# Altium PCB 202101904XB(公开).PcbDoc (part 1 of 6) (continued)
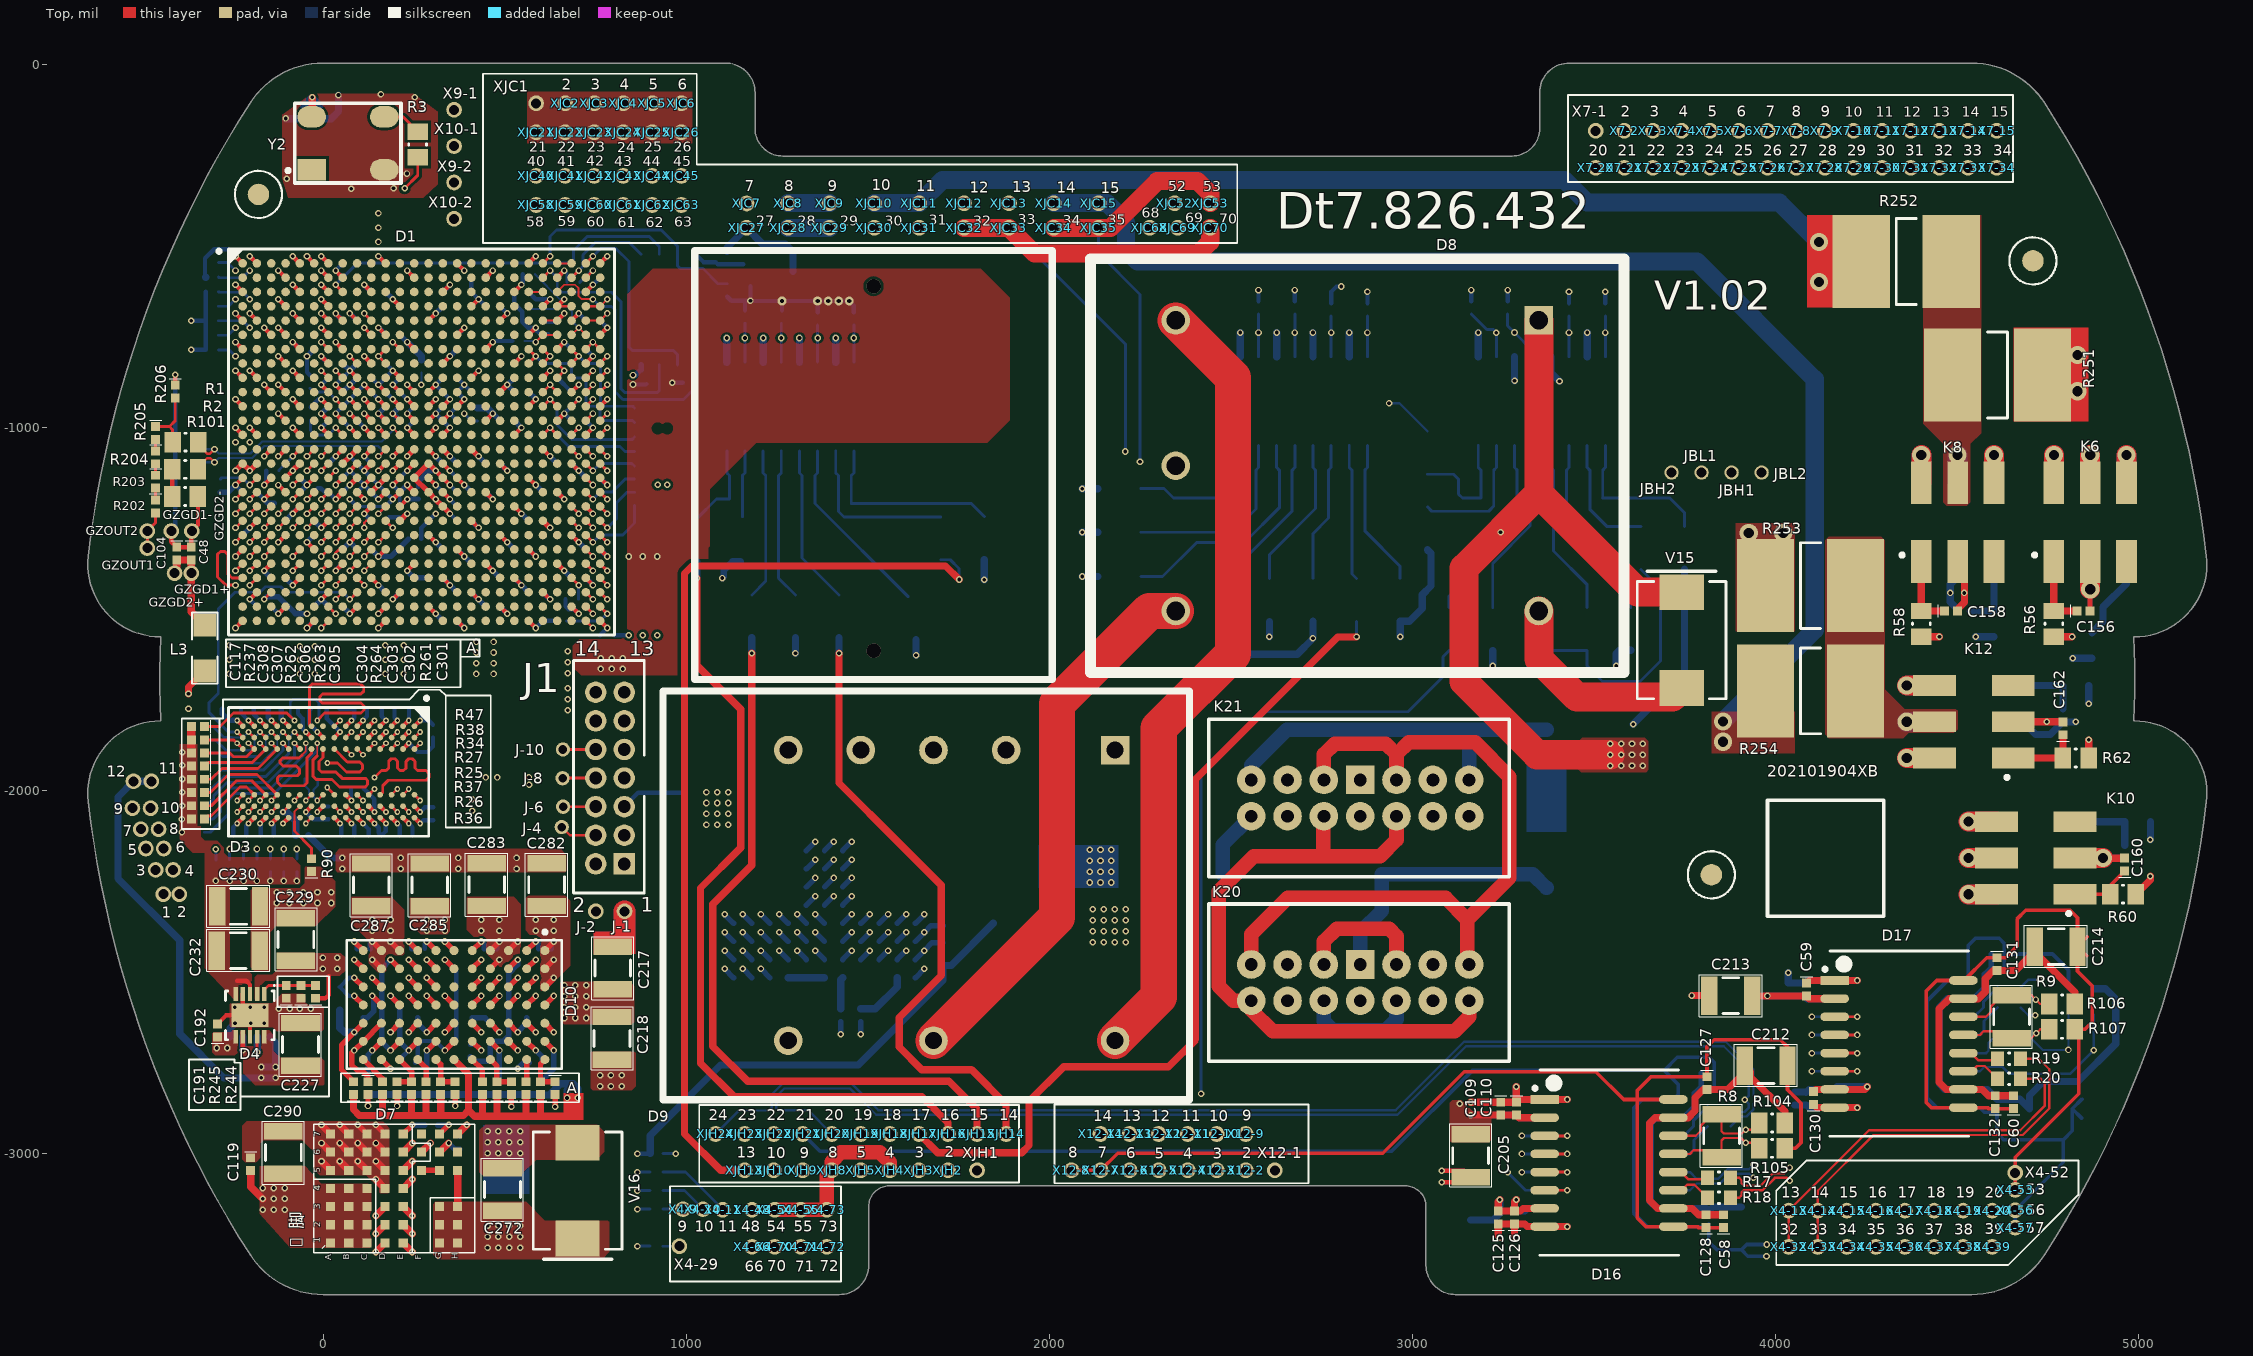
[diagram p0: Top view]
## Classes and differential pairs
net class ddr: DDR3-A0 DDR3-A1 DDR3-A2 DDR3-A3 DDR3-A4 DDR3-A5 DDR3-A6 DDR3-A7 DDR3-A8 DDR3-A9 DDR3-A10 DDR3-A11 DDR3-A12 DDR3-A13 DDR3-A14 DDR3-BA0 DDR3-BA1 DDR3-BA2 DDR3-CAS DDR3-CKE0 DDR3-CLK0_N DDR3-CLK0_P DDR3-D0 DDR3-D1 DDR3-D2 DDR3-D3 DDR3-D4 DDR3-D5 DDR3-D6 DDR3-D7 DDR3-D8 DDR3-D9 DDR3-D10 DDR3-D11 DDR3-D12 DDR3-D13 DDR3-D14 DDR3-D15 DDR3-DM0 DDR3-DM1 DDR3-DQS0_N DDR3-DQS0_P DDR3-DQS1_N DDR3-DQS1_P DDR3-ODT0 DDR3-RAS DDR3-RESET DDR3-S0 DDR3-WE
differential pair class DIFF: AB_CL422 AB_GZ422 AB_KZ422 AB_TF422 AB_TY422 AB_YL422 D_DDR3-CLK0 D_DDR3-DQS0 D_DDR3-DQS1 D_GZOUT YZ-CL422 YZ-GZ422 YZ-KZ422 YZ-TF422 YZ-TY422 YZ-YL422
net class 28V: +B +BB DZSB0 DZSB1 DZSB2 DZSB3 DZSB4 HC1+ HC1- HC2+ HC2- HC3+ HC3- HC4+ HC4- JS1 JS2 NetK5_5 NetK9_5 NetK20_11 NetK20_31 SF
differential pair D_DDR3-CLK0: +DDR3-CLK0_P -DDR3-CLK0_N
differential pair D_DDR3-DQS0: +DDR3-DQS0_P -DDR3-DQS0_N
differential pair D_DDR3-DQS1: +DDR3-DQS1_P -DDR3-DQS1_N
differential pair D_GZOUT: +GZOUT_P -GZOUT_N
differential pair AB_TY422: +TY422-A -TY422-B
differential pair AB_TF422: +TF422-A -TF422-B
differential pair AB_CL422: +CL422-A -CL422-B
differential pair AB_KZ422: +KZ422-A -KZ422-B
differential pair YZ-KZ422: +KZ422-Y -KZ422-Z
differential pair YZ-TF422: +TF422-Y -TF422-Z
differential pair YZ-CL422: +CL422-Y -CL422-Z
differential pair YZ-TY422: +TY422-Y -TY422-Z

## Components (designator, comment, footprint, x,y, rotation, side; value= is the part's Value field where it differs from the comment)
1 "SOCKET" SOCKET#1 -440,-2286 r90 top
2 "SOCKET" SOCKET#1 -396,-2286 r90 top
3 "SOCKET" SOCKET#1 -461,-2219 r90 top
4 "SOCKET" SOCKET#1 -413,-2219 r90 top
5 "SOCKET" SOCKET#1 -488,-2160 r90 top
6 "SOCKET" SOCKET#1 -439,-2160 r0 top
7 "SOCKET" SOCKET#1 -502,-2107 r90 top
8 "SOCKET" SOCKET#1 -453,-2107 r90 top
9 "SOCKET" SOCKET#1 -525,-2049 r90 top
10 "SOCKET" SOCKET#1 -475,-2049 r90 top
11 "SOCKET" SOCKET#1 -473,-1975 r0 top
12 "SOCKET" SOCKET#1 -522,-1975 r0 top
C1 "0.01uF" CAPC0402(1005)70_N -53.42,-132.85 r270 bottom
C2 "0.01uF" CAPC0402(1005)70_N -208.42,-1776.14 r0 bottom
C3 "0.01uF" CAPC0402(1005)70_N -132.99,-1776.14 r0 bottom
C4 "0.01uF" CAPC0402(1005)70_N 228.48,-2124.14 r0 bottom
C5 "0.01uF" CAPC0402(1005)70_N 143.05,-2124.14 r180 bottom
C6 "0.01uF" CAPC0402(1005)70_BGA 191.85,-1139.56 r180 bottom
C7 "0.01uF" CAPC0402(1005)70_BGA 349.33,-1218.3 r180 bottom
C8 "0.01uF" CAPC0402(1005)70_BGA 349.34,-1139.56 r180 bottom
C9 "0.01uF" CAPC0402(1005)70_BGA 349.33,-1178.93 r0 bottom
C10 "0.01uF" CAPC0402(1005)70_BGA 349.32,-1100.19 r0 bottom
C11 "0.01uF" CAPC0402(1005)70_BGA 349.32,-942.71 r0 bottom
C12 "0.01uF" CAPC0402(1005)70_BGA 191.85,-903.34 r180 bottom
C13 "0.01uF" CAPC0402(1005)70_BGA 349.32,-903.34 r0 bottom
C14 "0.01uF" CAPC0402(1005)70_BGA 191.85,-1178.93 r180 bottom
C15 "0.01uF" CAPC0402(1005)70_BGA 191.85,-1218.3 r180 bottom
C16 "0.01uF" CAPC0402(1005)70_BGA 152.48,-1257.67 r0 bottom
C17 "0.01uF" CAPC0402(1005)70_BGA -24.69,-1513.57 r90 bottom
C18 "0.01uF" CAPC0402(1005)70_BGA 34.36,-1493.89 r180 bottom
C19 "0.01uF" CAPC0402(1005)70_BGA 191.84,-1454.52 r180 bottom
C20 "0.01uF" CAPC0402(1005)70_BGA 113.1,-1336.41 r180 bottom
C21 "0.01uF" CAPC0402(1005)70_BGA 54.05,-1356.09 r90 bottom
C22 "0.01uF" CAPC0402(1005)70_BGA 34.36,-1100.2 r0 bottom
C23 "0.01uF" CAPC0402(1005)70_BGA 113.11,-1100.19 r180 bottom
C24 "0.01uF" CAPC0402(1005)70_BGA 113.1,-1139.56 r0 bottom
C25 "0.01uF" CAPC0402(1005)70_BGA 349.33,-1533.27 r180 bottom
C26 "0.01uF" CAPC0402(1005)70_BGA 388.69,-1454.52 r0 bottom
C27 "0.01uF" CAPC0402(1005)70_BGA 309.96,-1415.15 r180 bottom
C28 "0.01uF" CAPC0402(1005)70_BGA 388.7,-1257.67 r180 bottom
C29 "0.01uF" CAPC0402(1005)70_BGA 743.02,-706.49 r180 bottom
C30 "0.01uF" CAPC0402(1005)70_BGA 546.17,-627.75 r180 bottom
C31 "0.01uF" CAPC0402(1005)70_BGA 762.71,-568.69 r90 bottom
C32 "0.01uF" CAPC0402(1005)70_BGA 703.66,-785.23 r0 bottom
C33 "0.01uF" CAPC0402(1005)70_BGA 585.55,-1454.52 r180 bottom
C34 "0.01uF" CAPC0402(1005)70_BGA 743.02,-1336.41 r0 bottom
C35 "0.01uF" CAPC0402(1005)70_BGA 703.65,-982.08 r180 bottom
C36 "0.01uF" CAPC0402(1005)70_BGA 624.91,-863.97 r180 bottom
C37 "0.01uF" CAPC0402(1005)70_BGA 526.49,-844.29 r270 bottom
C38 "0.01uF" CAPC0402(1005)70_BGA 428.06,-588.38 r180 bottom
C39 "0.01uF" CAPC0402(1005)70_BGA 152.48,-824.6 r0 bottom
C40 "0.01uF" CAPC0402(1005)70_BGA 73.73,-706.49 r180 bottom
C41 "0.01uF" CAPC0402(1005)70_BGA 152.47,-627.75 r180 bottom
C42 "0.01uF" CAPC0402(1005)70_BGA 34.36,-549.01 r180 bottom
C43 "0.01uF" CAPC0402(1005)70_BGA 467.43,-667.12 r180 bottom
C44 "0.01uF" CAPC0402(1005)70_BGA 191.84,-745.86 r180 bottom
C45 "0.01uF" CAPC0402(1005)70_BGA 329.64,-647.44 r270 bottom
C46 "0.01uF" CAPC0402(1005)70_BGA 191.84,-942.71 r0 bottom
C47 "0.01uF" CAPC0402(1005)70_BGA 113.11,-982.08 r0 bottom
C48 "0.01uF" CAPC0402(1005)70_N -363,-1348 r270 top
C49 "0.01uF" CAPC0402(1005)70_N 598.64,-2820.98 r270 bottom
C50 "0.01uF" CAPC0402(1005)70_N 478.64,-2820 r270 bottom
C51 "0.01uF" CAPC0402(1005)70_N 283.64,-2820.98 r270 bottom
C52 "0.01uF" CAPC0402(1005)70_N 123.64,-2820 r270 bottom
C53 "0.01uF" CAPC0402(1005)70_N 3280.59,-3176.13 r90 bottom
C54 "0.01uF" CAPC0402(1005)70_N 3812.86,-2778.39 r180 bottom
C55 "0.01uF" CAPC0402(1005)70_N 4084.16,-2848.45 r90 bottom
C56 "0.01uF" CAPC0402(1005)70_N 4611.43,-2488.45 r180 bottom
C57 "0.01uF" CAPC0402(1005)70_N 3285.59,-2876.14 r270 bottom
C58 "0.01uF" CAPC0402(1005)70_N 3855.59,-3186.14 r90 top
C59 "0.01uF" CAPC0402(1005)70_N 4084.16,-2548.45 r270 top
C60 "0.01uF" CAPC0402(1005)70_N 4654.16,-2858.45 r90 top
C65 "0.01uF" CAPC0402(1005)70_N 15.05,-2062.09 r270 bottom
C66 "0.01uF" CAPC0402(1005)70_N 67.62,-2124.14 r180 bottom
C67 "0.01uF" CAPC0402(1005)70_N 94.61,-1995.67 r180 bottom
C68 "0.01uF" CAPC0402(1005)70_N 302.61,-1836.79 r90 bottom
C69 "0.01uF" CAPC0402(1005)70_N -57.91,-2124.14 r180 bottom
C70 "0.1uF" CAPC0402(1005)70_BGA 349.33,-982.08 r180 bottom
C71 "0.1uF" CAPC0402(1005)70_BGA 34.36,-824.6 r0 bottom
C72 "0.1uF" CAPC0402(1005)70_BGA 349.33,-863.97 r180 bottom
C73 "0.1uF" CAPC0402(1005)70_BGA 34.36,-982.08 r0 bottom
C74 "0.1uF" CAPC0402(1005)70_BGA 113.11,-942.71 r180 bottom
C75 "0.1uF" CAPC0402(1005)70_BGA 34.36,-863.97 r0 bottom
C76 "0.1uF" CAPC0402(1005)70_BGA 34.36,-942.71 r0 bottom
C77 "0.1uF" CAPC0402(1005)70_BGA 191.84,-863.97 r0 bottom
C78 "0.1uF" CAPC0402(1005)70_BGA 250.9,-962.39 r270 bottom
C79 "0.1uF" CAPC0402(1005)70_BGA 73.73,-903.35 r0 bottom
C80 "0.1uF" CAPC0402(1005)70_BGA 93.42,-844.29 r90 bottom
C81 "0.1uF" CAPC0402(1005)70_BGA 132.79,-1198.62 r90 bottom
C82 "0.1uF" CAPC0402(1005)70_BGA 93.42,-1198.62 r90 bottom
C83 "0.1uF" CAPC0402(1005)70_BGA 54.05,-1159.25 r90 bottom
C84 "0.1uF" CAPC0402(1005)70_BGA 349.33,-1336.41 r180 bottom
C85 "0.1uF" CAPC0402(1005)70_BGA -44.38,-785.23 r0 bottom
C86 "0.1uF" CAPC0402(1005)70_BGA 683.97,-923.03 r90 bottom
C87 "0.1uF" CAPC0402(1005)70_BGA -64.06,-1119.88 r270 bottom
C88 "0.1uF" CAPC0402(1005)70_BGA -64.06,-1198.62 r90 bottom
C89 "0.1uF" CAPC0402(1005)70_BGA 506.81,-982.08 r180 bottom
C90 "0.1uF" CAPC0402(1005)70_BGA 546.17,-903.34 r0 bottom
C91 "0.1uF" CAPC0402(1005)70_BGA 369.01,-765.55 r90 bottom
C92 "0.1uF" CAPC0402(1005)70_BGA 408.38,-883.66 r90 bottom
C93 "0.1uF" CAPC0402(1005)70_BGA 624.91,-1178.93 r0 bottom
C94 "0.1uF" CAPC0402(1005)70_BGA 585.55,-1257.67 r180 bottom
C95 "0.1uF" CAPC0402(1005)70_BGA 546.17,-1336.41 r0 bottom
C96 "0.1uF" CAPC0402(1005)70_BGA 703.65,-1415.15 r0 bottom
C97 "0.1uF" CAPC0402(1005)70_BGA 782.4,-1572.63 r180 bottom
C98 "0.1uF" CAPC0402(1005)70_BGA 428.07,-1178.93 r180 bottom
C99 "0.1uF" CAPC0402(1005)70_BGA 664.29,-1100.19 r180 bottom
C100 "0.1uF" CAPC0402(1005)70_BGA 743.02,-1139.56 r0 bottom
C101 "0.1uF" CAPC0402(1005)70_BGA 467.43,-1100.19 r0 bottom
C102 "0.1uF" CAPC0402(1005)70_BGA 191.84,-982.08 r180 bottom
C103 "0.1uF" CAPC0402(1005)70_BGA 132.79,-883.66 r90 bottom
C104 "0.1uF" CAPC0402(1005)70_N -403,-1348 r270 top
C105 "0.1uF" CAPC0402(1005)70_N 1436.62,-1210.26 r0 bottom
C106 "0.1uF" CAPC0402(1005)70_N 1336.61,-1210.27 r0 bottom
C107 "0.1uF" CAPC0402(1005)70_N 1237,-1199 r0 bottom
C108 "0.1uF" CAPC0402(1005)70_N 1137,-1198 r0 bottom
C109 "0.1uF" CAPC0402(1005)70_N 3242.58,-2876.42 r270 top
C110 "0.1uF" CAPC0402(1005)70_N 3285.59,-2876.14 r270 top
C111 "0.1uF" CAPC0402(1005)70_N 3815.58,-3176.14 r90 bottom
C112 "0.1uF" CAPC0402(1005)70_N 3812.86,-2816.14 r180 bottom
C113 "0.1uF" CAPC0402(1005)70_N 4034.16,-2548.45 r270 bottom
C114 "0.1uF" CAPC0402(1005)70_N 4079.16,-2548.45 r270 bottom
C115 "0.1uF" CAPC0402(1005)70_N 4609.16,-2868.45 r90 bottom
C116 "0.1uF" CAPC0402(1005)70_N 4611.43,-2450.7 r180 bottom
C117 "0.1uF" CAPC0402(1005)70_N 83.64,-2820 r90 top
C118 "0.1uF" CAPC0402(1005)70_N 1000.58,-2006.14 r0 bottom
C119 "0.1uF" CAPC0402(1005)70_N -199.42,-3029.42 r270 top
C120 "0.1uF" CAPC0402(1005)70_N 260.58,-2608.85 r90 bottom
C121 "0.1uF" CAPC0402(1005)70_N 610.87,-2436.14 r0 bottom
C122 "0.1uF" CAPC0402(1005)70_N 410.58,-2608.85 r90 bottom
C123 "0.1uF" CAPC0402(1005)70_N 460.87,-2436.14 r0 bottom
C125 "0.1uF" CAPC0402(1005)70_N 3235.59,-3176.14 r90 top
C126 "0.1uF" CAPC0402(1005)70_N 3280.59,-3176.14 r90 top
C127 "0.1uF" CAPC0402(1005)70_N 3810.59,-2806.14 r270 top
C128 "0.1uF" CAPC0402(1005)70_N 3808.02,-3186.14 r90 top
C129 "0.1uF" CAPC0402(1005)70_N 4052,-2848.45 r90 bottom
C130 "0.1uF" CAPC0402(1005)70_N 4104,-2847 r90 top
C131 "0.1uF" CAPC0402(1005)70_N 4609.16,-2478.45 r270 top
C132 "0.1uF" CAPC0402(1005)70_N 4604.16,-2858.45 r90 top
C141 "0.1uF" CAPC0402(1005)70_N 2850.61,-1195.27 r0 bottom
C142 "0.1uF" CAPC0402(1005)70_N 2750.61,-1195.27 r0 bottom
C143 "0.1uF" CAPC0402(1005)70_N 2650.61,-1195.27 r0 bottom
C144 "0.1uF" CAPC0402(1005)70_N 2550.62,-1195.27 r0 bottom
C145 "0.1uF" CAPC0402(1005)70_N 3505.61,-1195.27 r0 bottom
C146 "0.1uF" CAPC0402(1005)70_N 3405.61,-1195.27 r0 bottom
C147 "0.1uF" CAPC0402(1005)70_N 3305.61,-1195.27 r0 bottom
C148 "0.1uF" CAPC0402(1005)70_N 3205.62,-1195.27 r0 bottom
C155 "0.1uF" CAPC0402(1005)70_N 4882.87,-1496.14 r180 bottom
C156 "0.1uF" CAPC0402(1005)70_N 4847.44,-1506.14 r0 top
C157 "0.1uF" CAPC0402(1005)70_N 4517.87,-1506.14 r180 bottom
C158 "0.1uF" CAPC0402(1005)70_N 4482.44,-1506.14 r0 top
C159 "0.1uF" CAPC0402(1005)70_N 4960.58,-2168.85 r270 bottom
C160 "0.1uF" CAPC0402(1005)70_N 4960.58,-2204.29 r90 top
C161 "0.1uF" CAPC0402(1005)70_N 4790.58,-1793.85 r270 bottom
C162 "0.1uF" CAPC0402(1005)70_N 4790.58,-1829.29 r90 top
C167 "0.1uF" CAPC0402(1005)70_N 110.58,-2608.85 r90 bottom
C168 "0.1uF" CAPC0402(1005)70_N 261.87,-2436.14 r0 bottom
C169 "0.1uF" CAPC0402(1005)70_N 560.58,-2608.85 r90 bottom
C170 "0.1uF" CAPC0402(1005)70_N 111.87,-2436.14 r0 bottom
C171 "0.1uF" CAPC0402(1005)70_N 1112.08,-533.99 r270 bottom
C172 "0.1uF" CAPC0402(1005)70_BGA -24.69,-1277.35 r90 bottom
C173 "0.1uF" CAPC0402(1005)70_BGA -103.43,-1277.36 r270 bottom
C174 "0.1uF" CAPC0402(1005)70_BGA -201.85,-1178.93 r0 bottom
C175 "0.1uF" CAPC0402(1005)70_BGA -162.49,-1493.89 r180 bottom
C176 "0.1uF" CAPC0402(1005)70_BGA -123.11,-1415.15 r0 bottom
C177 "0.1uF" CAPC0402(1005)70_BGA -221.54,-1316.73 r270 bottom
C178 "0.1uF" CAPC0402(1005)70_BGA 467.43,-1493.89 r0 bottom
C179 "0.1uF" CAPC0402(1005)70_BGA 506.81,-1415.15 r180 bottom
C180 "0.1uF" CAPC0402(1005)70_BGA 428.06,-1375.78 r0 bottom
C181 "0.1uF" CAPC0402(1005)70_N -9.42,-132.85 r90 bottom
C182 "0.1uF" CAPC0402(1005)70_N -229.23,-2124.14 r0 bottom
C183 "0.1uF" CAPC0402(1005)70_N -153.81,-2124.14 r0 bottom
C184 "0.1uF" CAPC0402(1005)70_N 103.32,-1776.14 r0 bottom
C185 "0.1uF" CAPC0402(1005)70_N 27.88,-1776.14 r180 bottom
C186 "0.1uF" CAPC0402(1005)70_N -51.56,-1776.14 r180 bottom
C187 "0.1uF" CAPC0402(1005)70_N 303.58,-2064.14 r90 bottom
C188 "0.1uF" CAPC0402(1005)70_N 254.19,-1776.14 r0 bottom
C189 "0.1uF" CAPC0402(1005)70_N 178.76,-1776.14 r0 bottom
C190 "0.1uF" CAPC0402(1005)70_N -238.75,-2678.74 r0 bottom
C191 "0.1uF" CAPC0402(1005)70_N -101.34,-2554.68 r90 top
C192 "0.1uF" CAPC0402(1005)70_N -290.93,-2661.03 r90 top
C193 "0.1uF" CAPC0402(1005)70_N -235.12,-2324.29 r0 bottom
C201 "10uF" CAPC1210(3225)70_N 569.58,-1636.14 r180 bottom
C202 "10uF" CAPC1210(3225)70_N -158.42,-1641.14 r0 bottom
C203 "10uF" CAPC1210(3225)70_N 528.32,-1895.09 r0 bottom
C204 "10uF" CAPC1210(3225)70_N 569.58,-1756.14 r180 bottom
C205 "10uF" CAPC1210(3225)70_N 3159.61,-3005.62 r90 top
C206 "10uF" CAPC1210(3225)70_N 3905.58,-3206.14 r90 bottom
C207 "10uF" CAPC1210(3225)70_N 3875.94,-2566 r0 bottom
C208 "10uF" CAPC1210(3225)70_N 4757.43,-2876.79 r180 bottom
C211 "10uF" CAPC1210(3225)70_N 3159.61,-3123.73 r270 bottom
C212 "10uF" CAPC1210(3225)70_N 3973.07,-2757.83 r180 top
C213 "10uF" CAPC1210(3225)70_N 3876,-2565 r0 top
C214 "10uF" CAPC1210(3225)70_N 4771.64,-2430.14 r180 top
C217 "10uF" CAPC1210(3225)70_N 797.58,-2489.14 r270 top
C218 "10uF" CAPC1210(3225)70_N 795.6,-2683.12 r90 top
C219 "10uF" CAPC1210(3225)70_N 797.58,-2489.14 r270 bottom
C220 "10uF" CAPC1210(3225)70_N 795.6,-2683.12 r90 bottom
C221 "10uF" CAPC1210(3225)70_N 1235.06,-571 r180 bottom
C222 "10uF" CAPC1210(3225)70_N 38.58,-452.14 r0 bottom
C223 "10uF" CAPC1210(3225)70_N 880.58,-1461.14 r90 bottom
C224 "10uF" CAPC1210(3225)70_N 324.58,-1640.14 r0 bottom
C225 "10uF" CAPC1210(3225)70_N 71.53,-1641.14 r0 bottom
C226 "10uF" CAPC1210(3225)70_N -329.42,-957.08 r270 bottom
C227 "10uF" CAPC1210(3225)70_N -62.34,-2699.68 r270 top
C228 "10uF" CAPC1210(3225)70_N -74.89,-2410.63 r90 bottom
C229 "10uF" CAPC1210(3225)70_N -74.89,-2410.63 r90 top
C230 "10uF" CAPC1210(3225)70_N -232.84,-2319.29 r180 top
C231 "10uF" CAPC1210(3225)70_N -233.47,-2441.14 r180 bottom
C232 "10uF" CAPC1210(3225)70_N -233.47,-2441.14 r180 top
C271 "10uF" CAPC1210(3225)70_N 1946.53,-2806.14 r0 bottom
C272 "10uF" CAPC1210(3225)70_N 493.88,-3099.02 r270 top
C273 "10uF" CAPC1210(3225)70_N 1530.58,-2046.14 r180 bottom
C281 "100uF" CAPC1210(3225)70_N 615.58,-2259.34 r270 bottom
C282 "100uF" CAPC1210(3225)70_N 615.58,-2259.34 r270 top
C283 "100uF" CAPC1210(3225)70_N 450.58,-2259.37 r270 top
C284 "100uF" CAPC1210(3225)70_N 450.58,-2259.37 r270 bottom
C285 "100uF" CAPC1210(3225)70_N 293.58,-2260.37 r270 top
C286 "100uF" CAPC1210(3225)70_N 293.58,-2260.37 r270 bottom
C287 "100uF" CAPC1210(3225)70_N 132.58,-2260.37 r270 top
C288 "100uF" CAPC1210(3225)70_N 132.58,-2260.37 r270 bottom
C289 "100uF" CAPC1210(3225)70_N 1310.58,-2046.14 r180 bottom
C290 "100uF" CAPC1210(3225)70_N -109.42,-2997.08 r270 top
C301 "100pF" CAPC0402(1005)70_N 638.64,-2820 r270 top
C302 "100pF" CAPC0402(1005)70_N 558.64,-2820 r90 top
C303 "100pF" CAPC0402(1005)70_N 518.64,-2820 r90 top
C304 "100pF" CAPC0402(1005)70_N 438.64,-2820 r90 top
C305 "100pF" CAPC0402(1005)70_N 363.64,-2820 r90 top
C306 "100pF" CAPC0402(1005)70_N 283.64,-2820 r90 top
C307 "100pF" CAPC0402(1005)70_N 203.64,-2820 r90 top
C308 "100pF" CAPC0402(1005)70_N 163.64,-2820 r90 top
C309 "1000pF" CAPC0402(1005)70_N -324,-1080 r270 bottom
C401 "0.1uF" CAPC0603(1608)100_N 1946.53,-2706.14 r0 bottom
C402 "0.1uF" CAPC0603(1608)100_N 484.84,-3125.17 r270 bottom
C403 "0.1uF" CAPC0603(1608)100_N 1706.64,-2451 r90 bottom
D1 "SMQ7K325T-FFG676" FFG676 270.58,-1041.14 r0 top locked
D2 "SM25QH256MX" DFN8 950.58,-676.15 r90 bottom
D3 "SM41J256M16M" MICT-HA-96 15.35,-1949.13 r270 top
D4 "SM51200DRCR" DFN10 -201.34,-2619.68 r270 top
D6 "HCE8026MB" HCE8026MB 1380.58,-2316.14 r270 bottom locked
D7 "LYM8023" LYM8023IV 195.58,-3096.14 r90 top locked
D8 "HFD-CE03" HFD-CE03 3347.58,-706.02 r180 top locked
D9 "HHF28S28" HHF28 2180.64,-1889 r180 top locked
D10 "SM4644MPY" LT-BGA-77-05-08-1900_V 360.58,-2591.14 r270 top locked
D14 "JS2682" JS2682 3540.58,-3026.14 r0 bottom
D15 "JS2682" JS2682 4339.16,-2698.45 r0 bottom
D16 "JS2682" JS2682 3540.58,-3026.14 r0 top
D17 "JS2682" JS2682 4339.16,-2698.45 r0 top
GZGD1+ "SOCKET" SOCKET#1 -363,-1402 r180 top
GZGD1- "SOCKET" SOCKET#1 -418,-1286 r0 top
GZGD2+ "SOCKET" SOCKET#1 -409,-1402 r180 top
GZGD2- "SOCKET" SOCKET#1 -361.42,-1286 r0 top
GZOUT1 "SOCKET" SOCKET#1 -484,-1286 r0 top
GZOUT2 "SOCKET" SOCKET#1 -484,-1333 r0 top
J1 "FPGA-JTAG" HDR2X7_2.0mm 829.32,-2202.36 r90 top locked
J-1 "SOCKET" SOCKET#1 830,-2333 r90 top
J-2 "SOCKET" SOCKET#1 751,-2333 r90 top
J-4 "SOCKET" SOCKET#2 657,-2101 r90 top
J-6 "SOCKET" SOCKET#2 660.88,-2044.88 r90 top
J-8 "SOCKET" SOCKET#2 659.33,-1966.42 r90 top
J-10 "SOCKET" SOCKET#2 660.43,-1887.4 r90 top
JBH1 "SOCKET" SOCKET#3 3878.33,-1125 r90 top
JBH2 "SOCKET" SOCKET#3 3713,-1125 r90 top
JBL1 "SOCKET" SOCKET#3 3795.67,-1125 r90 top
JBL2 "SOCKET" SOCKET#3 3961,-1125 r90 top
K5 "JGW-3011BD" SMD6 4865.58,-1261.14 r90 bottom locked
K6 "JGW-3011BD" SMD6 4865.58,-1261.14 r90 top
K7 "JGW-3011BD" SMD6 4500.58,-1261.14 r90 bottom locked
K8 "JGW-3011BD" SMD6 4500.58,-1261.14 r90 top
K9 "JGW-3011BD" SMD6 4715.58,-2186.14 r180 bottom locked
K10 "JGW-3011BD" SMD6 4715.58,-2186.14 r180 top
K11 "JGW-3011BD" SMD6 4545.58,-1811.14 r180 bottom locked
K12 "JGW-3011BD" SMD6 4545.58,-1811.14 r180 top
K20 "JRC-071M" JRC-071M 3265.82,-2312.84 r180 top locked
K21 "JRC-071M" JRC-071M 3265.82,-1804.6 r180 top
L1 "PB3216-500/3A" PB3216 587.66,-2039.41 r180 bottom
L2 "PB3216-500/3A" PB3216 401.34,-1916.19 r90 bottom
L3 "PB3216-500/3A" PB3216 -326,-1545.02 r270 top
L7 "PB1608-601/1A" PB1608 688.64,-2745 r270 bottom
R1 "100Ω" CAPC0805(2012)75_N -378.98,-1041.14 r0 top
R2 "100Ω" CAPC0805(2012)75_N -379.86,-1116.14 r0 top
R3 "33R" CAPC0805(2012)75_N 260.58,-221.57 r270 top
R5 "51R" CAPC1210(3225)70_N 3368.58,-1892.08 r90 bottom
R6 "51R" CAPC1210(3225)70_N 2535.58,-2231.14 r180 bottom
R7 "130R" CAPC1210(3225)70_N 4643.44,-2721.7 r90 bottom
R8 "130R" CAPC1210(3225)70_N 3850.59,-2951.14 r270 top
R9 "130R" CAPC1210(3225)70_N 4649.16,-2623.45 r270 top
R12 "5.1R" CAPC0603(1608)100_N 46.18,-2573.04 r90 bottom
R13 "5.1R" CAPC0603(1608)100_N 3843.62,-2925.39 r0 bottom
R14 "5.1R" CAPC0603(1608)100_N 3843.62,-2870.39 r0 bottom
R15 "5.1R" CAPC0603(1608)100_N 4642.19,-2597.7 r0 bottom
R16 "5.1R" CAPC0603(1608)100_N 4642.19,-2542.7 r0 bottom
R17 "5.1R" CAPC0603(1608)100_N 3843.62,-3066.88 r0 top
R18 "5.1R" CAPC0603(1608)100_N 3843.62,-3121.88 r0 top
R19 "5.1R" CAPC0603(1608)100_N 4642.19,-2739.19 r0 top
R20 "5.1R" CAPC0603(1608)100_N 4642.19,-2794.19 r0 top
R25 "40R2" CAPC0402(1005)70_N -344.71,-1969.39 r180 top
R26 "40R2" CAPC0402(1005)70_N -344.71,-2042.45 r180 top
R27 "40R2" CAPC0402(1005)70_N -344.68,-1932.98 r180 top
R28 "40R2" CAPC0402(1005)70_N -344.67,-1897.01 r180 bottom
R29 "40R2" CAPC0402(1005)70_N -182.15,-2208.48 r270 bottom
R30 "40R2" CAPC0402(1005)70_N -344.67,-1861.04 r180 bottom
R31 "40R2" CAPC0402(1005)70_N -219.11,-2208.48 r270 bottom
R32 "40R2" CAPC0402(1005)70_N -344.68,-1823.83 r180 bottom
R33 "40R2" CAPC0402(1005)70_N -257.19,-2208.48 r270 bottom
R34 "40R2" CAPC0402(1005)70_N -344.67,-1897.01 r180 top
R35 "40R2" CAPC0402(1005)70_N -108.32,-2208.48 r270 bottom
R36 "40R2" CAPC0402(1005)70_N -344.68,-2079.13 r180 top
R37 "40R2" CAPC0402(1005)70_N -344.7,-2005.42 r180 top
R38 "40R2" CAPC0402(1005)70_N -344.67,-1861.04 r180 top
R39 "40R2" CAPC0402(1005)70_N -346.73,-1932.98 r180 bottom
R40 "40R2" CAPC0402(1005)70_N -145.02,-2208.48 r270 bottom
R41 "40R2" CAPC0402(1005)70_N -346.76,-1969.39 r180 bottom
R42 "40R2" CAPC0402(1005)70_N -72.35,-2208.48 r270 bottom
R43 "40R2" CAPC0402(1005)70_N -346.76,-2042.45 r180 bottom
R44 "40R2" CAPC0402(1005)70_N -346.73,-2079.13 r180 bottom
R45 "40R2" CAPC0402(1005)70_N -346.73,-2115.42 r180 bottom
R46 "40R2" CAPC0402(1005)70_N -346.76,-2005.42 r180 bottom
R47 "40R2" CAPC0402(1005)70_N -344.67,-1823.83 r180 top
R48 "40R2" CAPC0402(1005)70_N -295.28,-2208.95 r90 bottom
R50 "80R6" CAPC0402(1005)70_N -32.7,-1968.14 r0 bottom
R51 "80R6" CAPC0402(1005)70_N 252.64,-1308 r0 bottom
R52 "80R6" CAPC0402(1005)70_N -121.36,-1197 r45 bottom
R53 "80R6" CAPC0402(1005)70_N 262.64,-1180 r270 bottom
R54 "80R6" CAPC0402(1005)70_N -1.88,-1155.53 r45 bottom
R55 "201" CAPC0805(2012)75_N 4870.58,-1601.14 r270 bottom
R56 "201" CAPC0805(2012)75_N 4765.58,-1541.57 r90 top
R57 "201" CAPC0805(2012)75_N 4600.58,-1541.57 r270 bottom
R58 "201" CAPC0805(2012)75_N 4400.58,-1541.57 r90 top
R59 "201" CAPC0805(2012)75_N 4996.02,-2086.14 r0 bottom
R60 "201" CAPC0805(2012)75_N 4956,-2286 r180 top
R61 "201" CAPC0805(2012)75_N 4826.02,-1711.14 r0 bottom
R62 "201" CAPC0805(2012)75_N 4826.02,-1911.14 r180 top
R78 "243R" CAPC0402(1005)70_N 1436.63,-1160.27 r0 bottom
R79 "243R" CAPC0402(1005)70_N 1336.63,-1160.27 r0 bottom
R80 "243R" CAPC0402(1005)70_N 1236.63,-1160.27 r0 bottom
R81 "243R" CAPC0402(1005)70_N 1136.62,-1160.27 r0 bottom
R82 "243R" CAPC0402(1005)70_N 2850.63,-1145.27 r0 bottom
R83 "243R" CAPC0402(1005)70_N 2750.63,-1145.27 r0 bottom
R84 "243R" CAPC0402(1005)70_N 2650.63,-1145.27 r0 bottom
R85 "243R" CAPC0402(1005)70_N 2550.62,-1145.27 r0 bottom
R86 "243R" CAPC0402(1005)70_N 3505.63,-1145.27 r0 bottom
R87 "243R" CAPC0402(1005)70_N 3405.63,-1145.27 r0 bottom
R88 "243R" CAPC0402(1005)70_N 3305.63,-1145.27 r0 bottom
R89 "243R" CAPC0402(1005)70_N 3205.62,-1145.27 r0 bottom
R90 "243R" CAPC0402(1005)70_N -32.39,-2206.17 r90 top
R101 "820R" CAPC0805(2012)75_N -380,-1191 r0 top
R102 "820R" CAPC0805(2012)75_N 4875.75,-2581.56 r90 bottom
R103 "820R" CAPC0805(2012)75_N 4805.75,-2581.56 r90 bottom
R104 "820R" CAPC0805(2012)75_N 3989.63,-2915.74 r0 top
R105 "820R" CAPC0805(2012)75_N 3989.63,-2985.74 r0 top
R106 "820R" CAPC0805(2012)75_N 4788.19,-2588.05 r0 top
R107 "820R" CAPC0805(2012)75_N 4788.19,-2658.05 r0 top
R138 "2k" CAPC0402(1005)70_N 918.3,-3000.17 r0 bottom
R139 "2k" CAPC0402(1005)70_N 918.3,-3153.08 r0 bottom
R140 "2k" CAPC0402(1005)70_N 918.3,-3102.11 r0 bottom
R141 "2k" CAPC0402(1005)70_N 918.3,-3255.01 r0 bottom
R142 "2k" CAPC0402(1005)70_N 918.3,-3051.14 r0 bottom
R146 "1.96k" CAPC0402(1005)70_N 1461.58,-701.03 r90 bottom
R147 "1.96k" CAPC0402(1005)70_N 1361.58,-701.03 r90 bottom
R148 "1.96k" CAPC0402(1005)70_N 1261.58,-696.03 r90 bottom
R149 "1.96k" CAPC0402(1005)70_N 1161.58,-696.03 r90 bottom
R150 "1.96k" CAPC0402(1005)70_N 2875.58,-676.02 r90 bottom
R151 "1.96k" CAPC0402(1005)70_N 2775.58,-676.02 r90 bottom
R152 "1.96k" CAPC0402(1005)70_N 2675.58,-671.02 r90 bottom
R153 "1.96k" CAPC0402(1005)70_N 2575.58,-671.02 r90 bottom
R154 "1.96k" CAPC0402(1005)70_N 3530.58,-676.02 r90 bottom
R155 "1.96k" CAPC0402(1005)70_N 3430.58,-676.02 r90 bottom
R156 "1.96k" CAPC0402(1005)70_N 3261.58,-671.02 r90 bottom
R157 "1.96k" CAPC0402(1005)70_N 3161.58,-671.02 r90 bottom
R161 "1k" CAPC1210(3225)70_N 1820.58,-1305.08 r90 bottom
R162 "1k" CAPC1210(3225)70_N 1632.58,-1526.08 r90 bottom
R163 "1k" CAPC1210(3225)70_N 1300.58,-1521.02 r90 bottom
R164 "1k" CAPC1210(3225)70_N 1148.62,-1311.33 r90 bottom
R165 "1k" CAPC1210(3225)70_N 2965.58,-1475.08 r90 bottom
R166 "1k" CAPC1210(3225)70_N 2725.58,-1475.08 r90 bottom
R167 "1k" CAPC1210(3225)70_N 2485.58,-1476.02 r90 bottom
R168 "1k" CAPC1210(3225)70_N 2192.4,-1289.17 r0 bottom
R169 "1k" CAPC1210(3225)70_N 3746.52,-1332.08 r90 bottom
R170 "1k" CAPC1210(3225)70_N 3600.58,-1555.08 r90 bottom
R171 "1k" CAPC1210(3225)70_N 3220.58,-1556.02 r90 bottom
R172 "1k" CAPC1210(3225)70_N 3040.62,-1278.33 r90 bottom
R174 "1.21k" CAPC1210(3225)70_N 1700.58,-1306.02 r90 bottom
R175 "1.21k" CAPC1210(3225)70_N 1420.58,-1521.02 r90 bottom
R176 "1.21k" CAPC1210(3225)70_N 1180.58,-1521.02 r90 bottom
R177 "1.21k" CAPC1210(3225)70_N 1028.62,-1311.33 r90 bottom
R178 "1.21k" CAPC1210(3225)70_N 2845.58,-1476.02 r90 bottom
R179 "1.21k" CAPC1210(3225)70_N 2605.58,-1476.02 r90 bottom
R180 "1.21k" CAPC1210(3225)70_N 2192.58,-1411.14 r0 bottom
R181 "1.21k" CAPC1210(3225)70_N 2192.4,-1169.17 r0 bottom
R182 "1.21k" CAPC1210(3225)70_N 3628.58,-1333.02 r90 bottom
R183 "1.21k" CAPC1210(3225)70_N 3480.58,-1556.02 r90 bottom
R184 "1.21k" CAPC1210(3225)70_N 3100.58,-1556.02 r90 bottom
R185 "1.21k" CAPC1210(3225)70_N 3041.04,-1070.51 r270 bottom
R200 "1k" CAPC0402(1005)70_N -283.13,-1160.95 r90 bottom
R201 "1k" CAPC0402(1005)70_N -137.19,-1119.96 r0 bottom
R202 "1k" CAPC0402(1005)70_N -461.28,-1218.72 r270 top
R203 "1k" CAPC0402(1005)70_N -461,-1150 r270 top
R204 "1k" CAPC0402(1005)70_N -461,-1083 r270 top
R205 "1k" CAPC0402(1005)70_N -461,-1016 r270 top
R206 "1k" CAPC0402(1005)70_N -407,-902 r270 top
R208 "1k" CAPC0402(1005)70_N -297.98,-1776.14 r180 bottom
R209 "1k" CAPC0402(1005)70_N -307.29,-586.96 r180 bottom
R210 "1k" CAPC0402(1005)70_N 536.7,-762.83 r180 bottom
R211 "1k" CAPC0402(1005)70_N 556.7,-674.9 r180 bottom
R212 "1k" CAPC0402(1005)70_N 875.33,-1143.2 r0 bottom
R213 "1k" CAPC0402(1005)70_N 875.33,-1107.23 r0 bottom
R214 "1k" CAPC0402(1005)70_N 875.33,-1215.11 r0 bottom
R215 "1k" CAPC0402(1005)70_N 652.61,-1533.42 r180 bottom
R216 "1k" CAPC0402(1005)70_N 875.33,-1179.15 r180 bottom
R217 "1k" CAPC0402(1005)70_N 685.33,-1473.74 r0 bottom
R218 "1k" CAPC0402(1005)70_N -307.3,-546.96 r180 bottom
R219 "1k" CAPC0402(1005)70_N 877.41,-987.23 r0 bottom
R220 "1k" CAPC0402(1005)70_N 877.41,-1027.23 r0 bottom
R221 "1k" CAPC0402(1005)70_N 565.7,-578.9 r180 bottom
R222 "1k" CAPC0402(1005)70_N 877.41,-947.23 r0 bottom
R223 "1k" CAPC0402(1005)70_N 877.41,-1067.23 r0 bottom
R224 "1k" CAPC0402(1005)70_N 619.68,-728.05 r270 bottom
R225 "1k" CAPC0402(1005)70_N 688.89,-601.17 r180 bottom
R227 "4.7k" CAPC0402(1005)70_N -34.73,-965.02 r270 bottom
R228 "4.7k" CAPC0402(1005)70_N -35.92,-877.02 r270 bottom
R229 "4.7k" CAPC0402(1005)70_N 424.64,-965 r270 bottom
R230 "4.7k" CAPC0402(1005)70_N 270.64,-832 r270 bottom
R231 "4.7k" CAPC0402(1005)70_N 1007.72,-878 r0 bottom
R232 "4.7k" CAPC0402(1005)70_N 907.87,-881.14 r0 bottom
R233 "4.7k" CAPC0402(1005)70_N 1112.58,-622.85 r270 bottom
R234 "4.7k" CAPC0402(1005)70_N 585.93,-2750 r180 bottom
R235 "4.7k" CAPC0402(1005)70_N 404.9,-2718.01 r270 bottom
R236 "4.7k" CAPC0402(1005)70_N 235.93,-2750 r0 bottom
R237 "4.7k" CAPC0402(1005)70_N 123.64,-2820 r270 top
R238 "4.7k" CAPC0402(1005)70_N -307.44,-786.96 r180 bottom
R239 "4.7k" CAPC0402(1005)70_N -307.35,-666.96 r180 bottom
R240 "4.7k" CAPC0402(1005)70_N -307.32,-626.96 r180 bottom
R241 "4.7k" CAPC0402(1005)70_N -307.41,-746.96 r180 bottom
R242 "4.7k" CAPC0402(1005)70_N -307.38,-706.96 r180 bottom
R243 "4.7k" CAPC0402(1005)70_N -163.94,-2678.74 r0 bottom
R244 "10k" CAPC0402(1005)70_N -21.34,-2554.68 r90 top
R245 "10k" CAPC0402(1005)70_N -61.34,-2554.68 r90 top
R251 "3Ω" RM6363 4610.58,-856.14 r180 top
R252 "3Ω" RM6363 4358.98,-544 r0 top
R253 "3Ω" RM6363 4095.58,-1436.14 r0 top
R254 "3Ω" RM6363 4095.58,-1726.14 r0 top
R261 "90.9k" CAPC0402(1005)70_N 598.64,-2820 r90 top
R262 "40.2k" CAPC0402(1005)70_N 243.64,-2820 r90 top
R263 "30.1k" CAPC0402(1005)70_N 323.64,-2820 r90 top
R264 "13.3k" CAPC0402(1005)70_N 478.64,-2820 r90 top
R265 "49.9k" CAPC0402(1005)70_N 297.9,-2921.67 r180 bottom
R266 "93.1k" CAPC0402(1005)70_N 376.58,-2969.85 r270 bottom
R267 "3.09k" CAPC0402(1005)70_N 1480.58,-2618.85 r270 bottom
R268 "68.1k" CAPC0402(1005)70_N 1425.58,-2618.85 r90 bottom
R269 "510k" CAPC0402(1005)70_N 1707.64,-2355 r90 bottom
V1 "1N4007S" SMD-0.1 2020.58,-2106.14 r270 bottom
V2 "1N4007S" SMD-0.1 1845.58,-2106.14 r270 bottom
V3 "1N4007S" SMD-0.1 2020.58,-2471.14 r90 bottom
V4 "1N4007S" SMD-0.1 1845.58,-2472.44 r90 bottom
V5 "1N4007S" SMD-0.1 3368.58,-2162.44 r270 bottom
V6 "1N4007S" SMD-0.1 2809.29,-2231.14 r0 bottom
V11 "GH281-4" TLP281-4 1286.58,-943.07 r90 bottom
V12 "GH281-4" TLP281-4 2700.58,-928.07 r90 bottom
V13 "GH281-4" TLP281-4 3355.58,-928.07 r90 bottom
V15 "SY162AS" SMD-0.3 3740.58,-1586.14 r90 top
V16 "SY162AS" SMD-0.3 700.6,-3102.24 r270 top
X4-9 "SOCKET" SOCKET#1 991,-3153.08 r90 top
X4-10 "SOCKET" SOCKET#1 1046,-3153.08 r90 top
X4-11 "SOCKET" SOCKET#1 1100,-3155 r90 top
X4-13 "SOCKET" SOCKET#1 4035.58,-3157.14 r90 top
X4-14 "SOCKET" SOCKET#1 4115.58,-3157.14 r90 top
X4-15 "SOCKET" SOCKET#1 4195.58,-3157.14 r90 top
X4-16 "SOCKET" SOCKET#1 4275.58,-3157.14 r90 top
X4-17 "SOCKET" SOCKET#1 4355.58,-3157.14 r90 top
X4-18 "SOCKET" SOCKET#1 4435.58,-3157.14 r90 top
X4-19 "SOCKET" SOCKET#1 4515.58,-3157.14 r90 top
X4-20 "SOCKET" SOCKET#1 4595.58,-3157.14 r90 top
X4-29 "SOCKET" SOCKET#1 981,-3255.14 r90 top
X4-32 "SOCKET" SOCKET#1 4035.58,-3257.14 r90 top
X4-33 "SOCKET" SOCKET#1 4115.58,-3257.14 r90 top
X4-34 "SOCKET" SOCKET#1 4195.58,-3257.14 r90 top
X4-35 "SOCKET" SOCKET#1 4275.58,-3257.14 r90 top
X4-36 "SOCKET" SOCKET#1 4355.58,-3257.14 r90 top
X4-37 "SOCKET" SOCKET#1 4435.58,-3257.14 r90 top
X4-38 "SOCKET" SOCKET#1 4515.58,-3257.14 r90 top
X4-39 "SOCKET" SOCKET#1 4595.58,-3257.14 r90 top
X4-48 "SOCKET" SOCKET#1 1181,-3155 r90 top
X4-52 "SOCKET" SOCKET#1 4659,-3053 r90 top
X4-53 "SOCKET" SOCKET#1 4659,-3100.14 r90 top
X4-54 "SOCKET" SOCKET#1 1243.5,-3155 r90 top
X4-55 "SOCKET" SOCKET#1 1315.25,-3155 r90 top
X4-56 "SOCKET" SOCKET#1 4659,-3156 r90 top
X4-57 "SOCKET" SOCKET#1 4659,-3204 r90 top
X4-66 "SOCKET" SOCKET#1 1181,-3257 r90 top
X4-70 "SOCKET" SOCKET#1 1243.5,-3257 r90 top
X4-71 "SOCKET" SOCKET#1 1315.25,-3257 r90 top
X4-72 "SOCKET" SOCKET#1 1387,-3257 r90 top
X4-73 "SOCKET" SOCKET#1 1387,-3155 r90 top
X7-1 "SOCKET" SOCKET#1 3504,-184 r90 top
X7-2 "SOCKET" SOCKET#1 3582.86,-184 r90 top
X7-3 "SOCKET" SOCKET#1 3661.71,-184 r90 top
X7-4 "SOCKET" SOCKET#1 3740.57,-184 r90 top
X7-5 "SOCKET" SOCKET#1 3819.43,-184 r90 top
X7-6 "SOCKET" SOCKET#1 3898.29,-184 r90 top
X7-7 "SOCKET" SOCKET#1 3977.14,-184 r90 top
X7-8 "SOCKET" SOCKET#1 4056,-184 r90 top
X7-9 "SOCKET" SOCKET#1 4134.86,-184 r90 top
X7-10 "SOCKET" SOCKET#1 4213.71,-184 r90 top
X7-11 "SOCKET" SOCKET#1 4292.57,-184 r90 top
X7-12 "SOCKET" SOCKET#1 4371.43,-184 r90 top
X7-13 "SOCKET" SOCKET#1 4450.29,-184 r90 top
X7-14 "SOCKET" SOCKET#1 4529.14,-184 r90 top
X7-15 "SOCKET" SOCKET#1 4608,-184 r90 top
X7-20 "SOCKET" SOCKET#1 3504,-286 r90 top
X7-21 "SOCKET" SOCKET#1 3582.86,-286 r90 top
X7-22 "SOCKET" SOCKET#1 3661.71,-286 r90 top
X7-23 "SOCKET" SOCKET#1 3740.57,-286 r90 top
X7-24 "SOCKET" SOCKET#1 3819.43,-286 r90 top
X7-25 "SOCKET" SOCKET#1 3898.29,-286 r90 top
X7-26 "SOCKET" SOCKET#1 3977.14,-286 r90 top
X7-27 "SOCKET" SOCKET#1 4056,-286 r90 top
X7-28 "SOCKET" SOCKET#1 4134.86,-286 r90 top
X7-29 "SOCKET" SOCKET#1 4213.71,-286 r90 top
X7-30 "SOCKET" SOCKET#1 4292.57,-286 r90 top
X7-31 "SOCKET" SOCKET#1 4371.43,-286 r90 top
X7-32 "SOCKET" SOCKET#1 4450.29,-286 r90 top
X7-33 "SOCKET" SOCKET#1 4529.14,-286 r90 top
X7-34 "SOCKET" SOCKET#1 4608,-286 r90 top
X9-1 "SOCKET" SOCKET#1 360.58,-126.14 r270 top
X9-2 "SOCKET" SOCKET#1 360.58,-326.14 r270 top
X10-1 "SOCKET" SOCKET#1 360.58,-226.14 r270 top
X10-2 "SOCKET" SOCKET#1 360.58,-426.14 r270 top
X12-1 "SOCKET" SOCKET#1 2620.58,-3046.14 r270 top
X12-2 "SOCKET" SOCKET#1 2540.58,-3046.14 r270 top
X12-3 "SOCKET" SOCKET#1 2460.58,-3046.14 r270 top
X12-4 "SOCKET" SOCKET#1 2380.58,-3046.14 r270 top
X12-5 "SOCKET" SOCKET#1 2300.58,-3046.14 r270 top
X12-6 "SOCKET" SOCKET#1 2220.58,-3046.14 r270 top
X12-7 "SOCKET" SOCKET#1 2140.58,-3046.14 r270 top
X12-8 "SOCKET" SOCKET#1 2060.58,-3046.14 r270 top
X12-9 "SOCKET" SOCKET#1 2540.58,-2946.14 r270 top
X12-10 "SOCKET" SOCKET#1 2460.58,-2946.14 r270 top
X12-11 "SOCKET" SOCKET#1 2380.58,-2946.14 r270 top
X12-12 "SOCKET" SOCKET#1 2300.58,-2946.14 r270 top
X12-13 "SOCKET" SOCKET#1 2220.58,-2946.14 r270 top
X12-14 "SOCKET" SOCKET#1 2140.58,-2946.14 r270 top
XJC1 "SOCKET" SOCKET#1 586.58,-108.14 r90 top
XJC2 "SOCKET" SOCKET#1 666.58,-108.14 r90 top
XJC3 "SOCKET" SOCKET#1 746.58,-108.14 r90 top
XJC4 "SOCKET" SOCKET#1 826.58,-108.14 r90 top
XJC5 "SOCKET" SOCKET#1 906.58,-108.14 r90 top
XJC6 "SOCKET" SOCKET#1 986.58,-108.14 r90 top
XJC7 "SOCKET" SOCKET#1 1166,-384 r90 top
XJC8 "SOCKET" SOCKET#1 1280.2,-383.14 r90 top
XJC9 "SOCKET" SOCKET#1 1394.4,-383.14 r90 top
XJC10 "SOCKET" SOCKET#1 1517.93,-383.14 r90 top
XJC11 "SOCKET" SOCKET#1 1641.46,-383.14 r90 top
XJC12 "SOCKET" SOCKET#1 1764.99,-383.14 r90 top
XJC13 "SOCKET" SOCKET#1 1888.52,-383.14 r90 top
XJC14 "SOCKET" SOCKET#1 2012.05,-383.14 r90 top
XJC15 "SOCKET" SOCKET#1 2135.58,-383.14 r90 top
XJC21 "SOCKET" SOCKET#1 586.58,-188.14 r90 top
XJC22 "SOCKET" SOCKET#1 666.58,-188.14 r180 top
XJC23 "SOCKET" SOCKET#1 746.58,-188.14 r180 top
XJC24 "SOCKET" SOCKET#1 826.58,-188.14 r90 top
XJC25 "SOCKET" SOCKET#1 906.58,-188.14 r90 top
XJC26 "SOCKET" SOCKET#1 986.58,-188.14 r90 top
XJC27 "SOCKET" SOCKET#1 1166,-451.14 r90 top
XJC28 "SOCKET" SOCKET#1 1280.2,-451.14 r90 top
XJC29 "SOCKET" SOCKET#1 1394.4,-451.14 r90 top
XJC30 "SOCKET" SOCKET#1 1517.93,-451.14 r90 top
XJC31 "SOCKET" SOCKET#1 1641.46,-451.14 r90 top
XJC32 "SOCKET" SOCKET#1 1764.99,-451.14 r90 top
XJC33 "SOCKET" SOCKET#1 1888.52,-451.14 r90 top
XJC34 "SOCKET" SOCKET#1 2012.05,-451.14 r90 top
XJC35 "SOCKET" SOCKET#1 2135.58,-451.14 r90 top
XJC40 "SOCKET" SOCKET#1 586.58,-308.14 r90 top
XJC41 "SOCKET" SOCKET#1 666.58,-308.14 r90 top
XJC42 "SOCKET" SOCKET#1 746.58,-308.14 r90 top
XJC43 "SOCKET" SOCKET#1 826.58,-308.14 r90 top
XJC44 "SOCKET" SOCKET#1 906.58,-308.14 r90 top
XJC45 "SOCKET" SOCKET#1 986.58,-308.14 r90 top
XJC52 "SOCKET" SOCKET#1 2344.58,-383.14 r90 top
XJC53 "SOCKET" SOCKET#1 2442.58,-383.14 r90 top
XJC58 "SOCKET" SOCKET#1 586.58,-388.14 r90 top
XJC59 "SOCKET" SOCKET#1 666.58,-388.14 r90 top
XJC60 "SOCKET" SOCKET#1 746.58,-388.14 r90 top
XJC61 "SOCKET" SOCKET#1 826.58,-388.14 r90 top
XJC62 "SOCKET" SOCKET#1 906.58,-388.14 r90 top
XJC63 "SOCKET" SOCKET#1 986.58,-388.14 r90 top
XJC68 "SOCKET" SOCKET#1 2276,-451.14 r90 top
XJC69 "SOCKET" SOCKET#1 2353,-451.14 r90 top
XJC70 "SOCKET" SOCKET#1 2442.58,-451.14 r90 top
XJH1 "SOCKET" SOCKET#1 1800.58,-3046.14 r90 top
XJH2 "SOCKET" SOCKET#1 1720.58,-3046.14 r90 top
XJH3 "SOCKET" SOCKET#1 1640.58,-3046.14 r90 top
XJH4 "SOCKET" SOCKET#1 1560.58,-3046.14 r90 top
XJH5 "SOCKET" SOCKET#1 1480.58,-3046.14 r90 top
XJH8 "SOCKET" SOCKET#1 1400.58,-3046.14 r90 top
XJH9 "SOCKET" SOCKET#1 1320.58,-3046.14 r90 top
XJH10 "SOCKET" SOCKET#1 1240.58,-3046.14 r90 top
XJH13 "SOCKET" SOCKET#1 1160.58,-3046.14 r90 top
XJH14 "SOCKET" SOCKET#1 1880.58,-2946.14 r90 top
XJH15 "SOCKET" SOCKET#1 1800.58,-2946.14 r90 top
XJH16 "SOCKET" SOCKET#1 1720.58,-2946.14 r90 top
XJH17 "SOCKET" SOCKET#1 1640.58,-2946.14 r90 top
XJH18 "SOCKET" SOCKET#1 1560.58,-2946.14 r90 top
XJH19 "SOCKET" SOCKET#1 1480.58,-2946.14 r90 top
XJH20 "SOCKET" SOCKET#1 1400.58,-2946.14 r90 top
XJH21 "SOCKET" SOCKET#1 1320.58,-2946.14 r90 top
XJH22 "SOCKET" SOCKET#1 1240.58,-2946.14 r90 top
XJH23 "SOCKET" SOCKET#1 1160.58,-2946.14 r90 top
XJH24 "SOCKET" SOCKET#1 1080.58,-2946.14 r90 top
Y2 "40MHz" ZPB-26 -31.42,-145.47 r0 top

## Footprints (in the part's own frame and the unit in brackets; to place one, negate y for a bottom-side part, rotate by r counter-clockwise, add the part's x,y. Pads: shape width x height; smd on the part's side, far side on the other; paste and mask are expansions set on the pad)
CAPC0402(1005)70_BGA [mm]
  oct 0.62x0.62 smd: 1(-0.5,0) 2(0.5,0)
  silkscreen extent -0.89,-0.43 -0.89,0.43, body extent -0.55,-0.3 0.55,0.3, height 0.7
CAPC0402(1005)70_N [mm]
  rect 0.62x0.62 smd: 1(-0.45,0) 2(0.45,0)
  silkscreen extent -0.89,-0.43 -0.89,0.43, body extent -0.55,-0.3 0.55,0.3, height 0.7
CAPC0603(1608)100_N [mm]
  rect 0.9x1 smd: 1(-0.8,0) 2(0.8,0)
  silkscreen extent -0.05,-0.4 0.05,0.4, body extent -0.87,-0.48 0.88,0.47, height 1
CAPC0805(2012)75_N [mm]
  rect 1.15x1.45 smd: 1(-0.9,0) 2(0.9,0)
  silkscreen extent -0.05,-0.62 0.05,0.63, body extent -1.1,-0.72 1.1,0.73, height 0.75
CAPC1210(3225)70_N [mm]
  rect 1.15x2.7 smd: 1(-1.5,0) 2(1.5,0)
  silkscreen extent -2.2,-1.49 2.21,1.46, body extent -1.7,-1.35 1.7,1.35, height 0.7
DFN8 [mm]
  rect 1.05x0.45 smd: 1(-3.87,1.905) 2(-3.87,0.635) 3(-3.87,-0.635) 4(-3.87,-1.905) 5(3.87,-1.905) 6(3.87,-0.635) 7(3.87,0.635) 8(3.87,1.905)
  rect 4.8x4.7 smd paste-2.35: 9(0,0)
  silkscreen extent -4.65,-3.2 4.2,3.25, body extent -4.05,-3.05 4.05,3.05, height 0.8
DFN10 [mm]
  rect 0.95x0.3 smd: 1(-1.5,1) 2(-1.5,0.5) 3(-1.5,0) 4(-1.5,-0.5) 5(-1.5,-1) 6(1.5,-1) 7(1.5,-0.5) 8(1.5,0) 9(1.5,0.5) 10(1.5,1)
  rect 1.65x2.6 smd: 11(0,0)
  silkscreen extent -2.15,-1.7 1.7,1.75, body extent -1.55,-1.55 1.55,1.55, height 0.95